# Altium PCB PROC054D_MMWCAS_RF_EVM.PcbDoc (part 1 of 14) (continued)
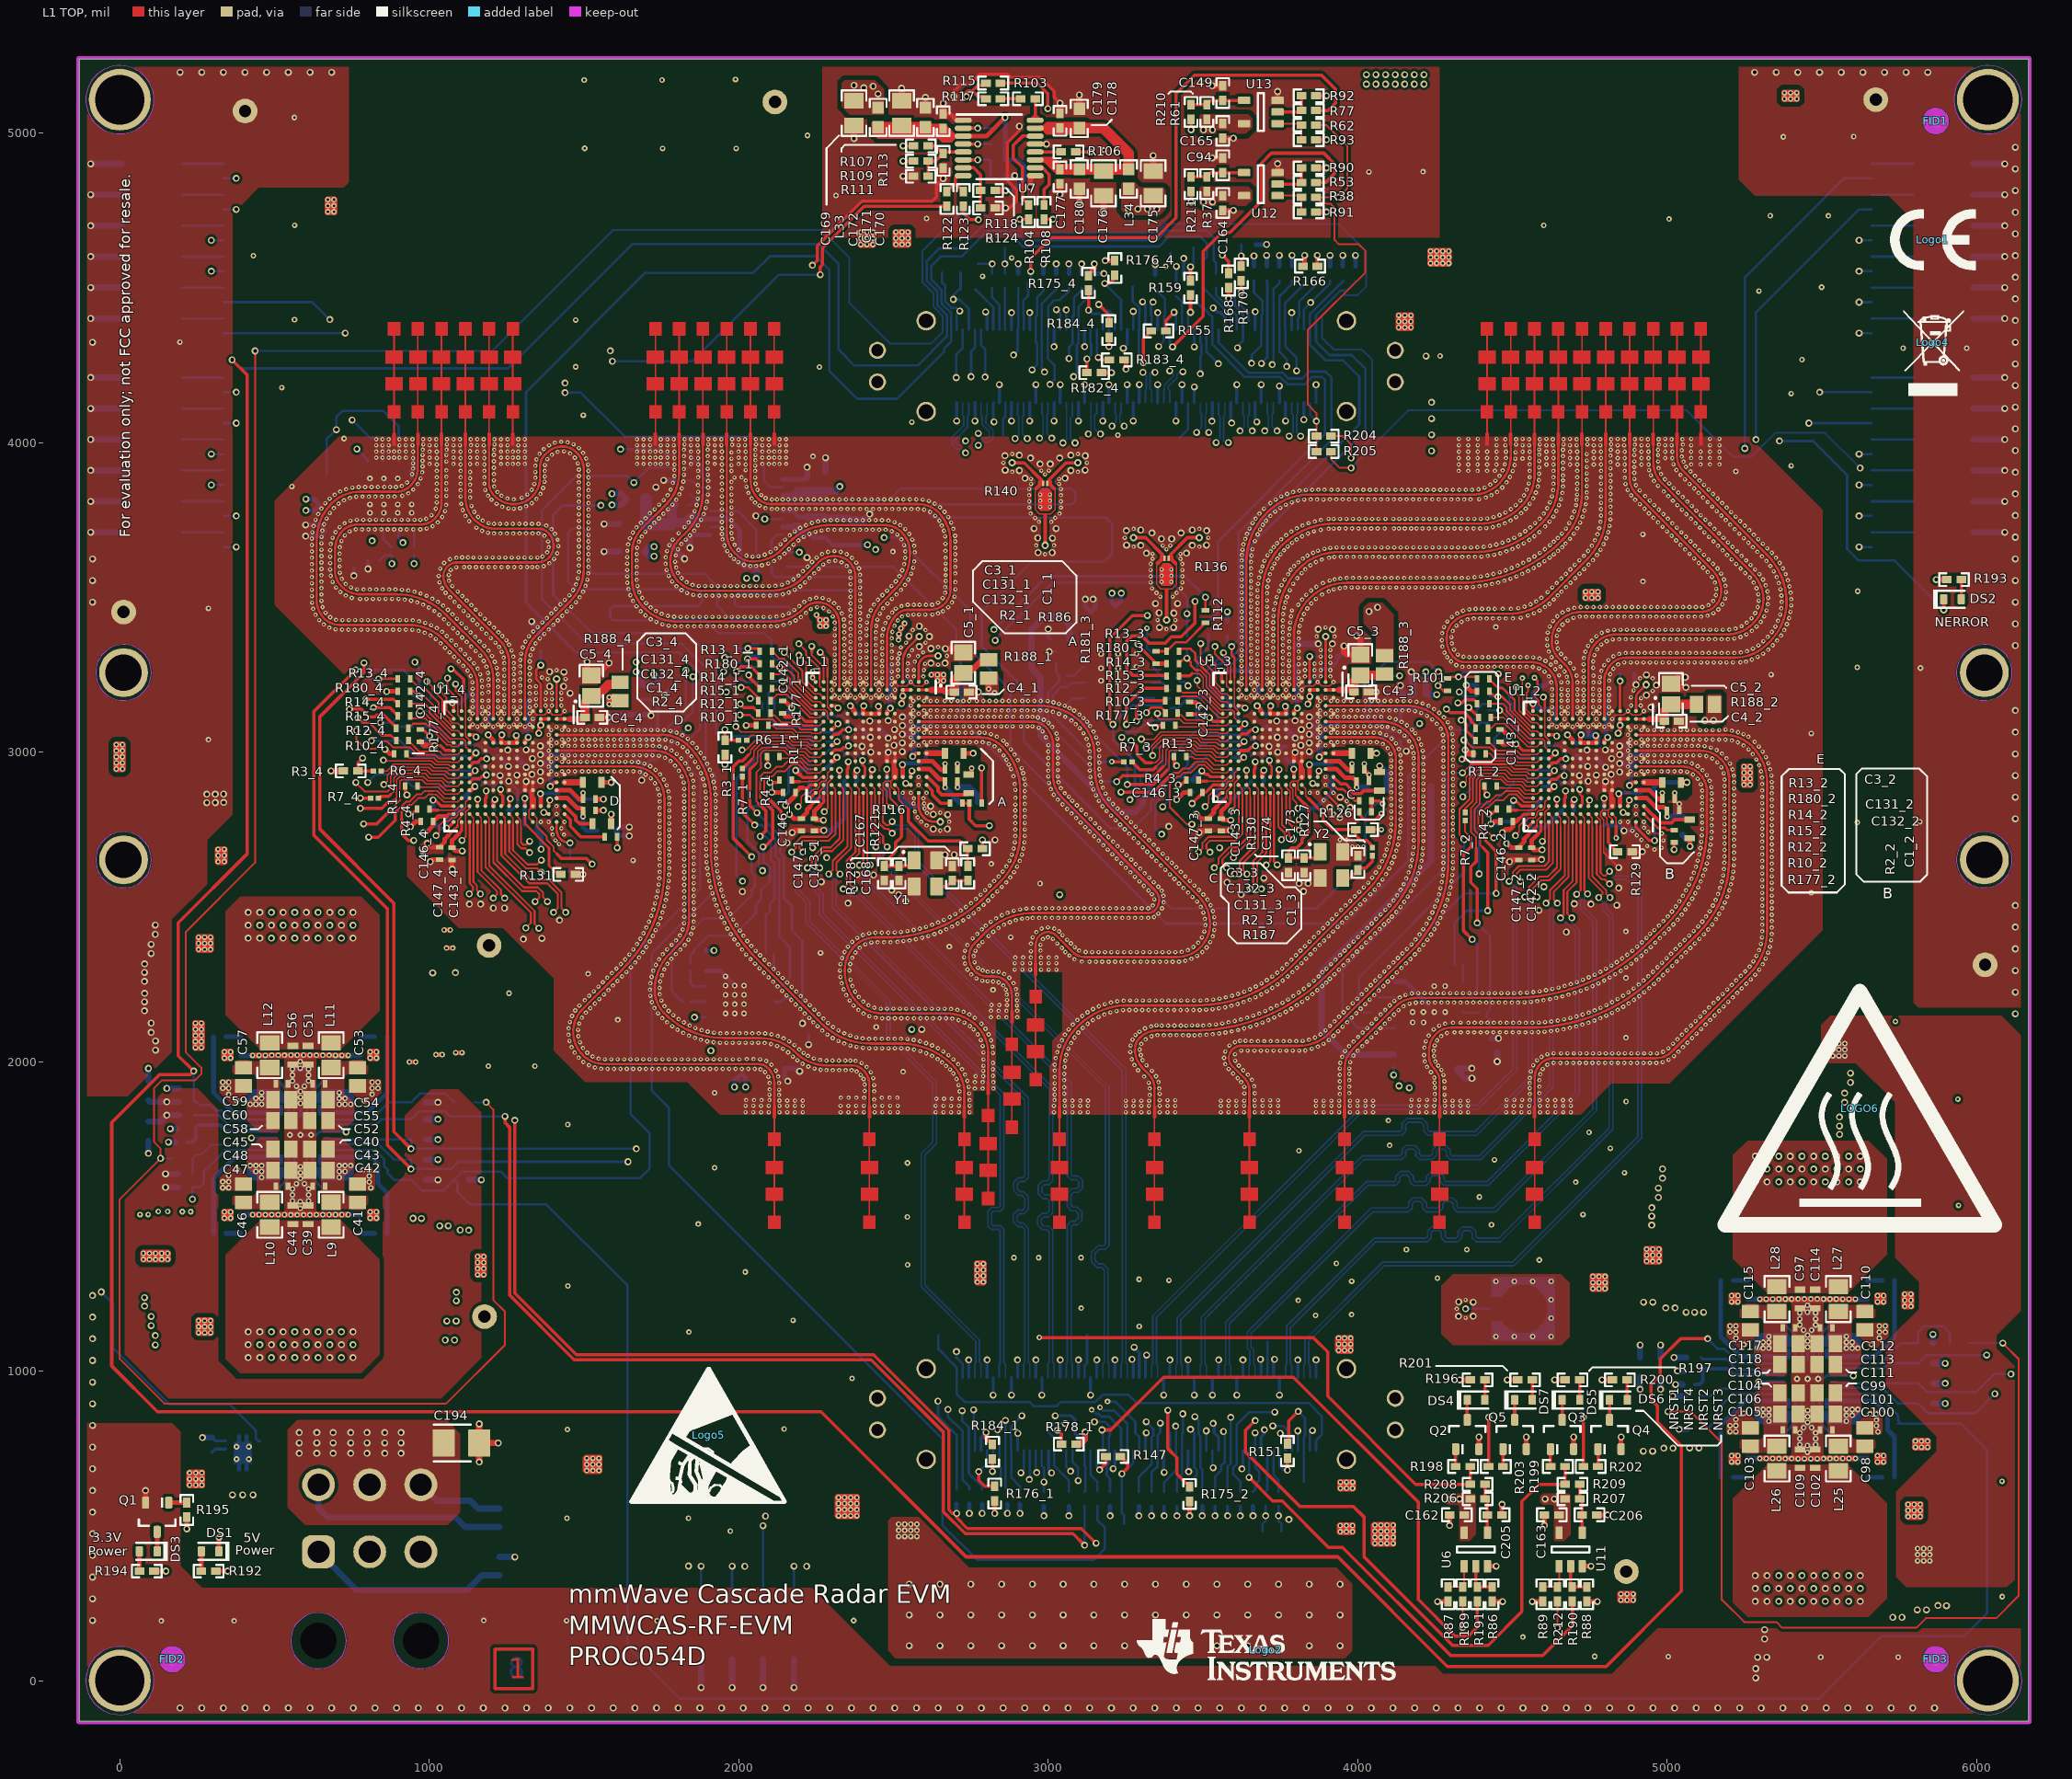
[diagram p0: L1 TOP view]
## Classes and differential pairs (continued)
net class AWR_DEBUG: GPADC1_1 GPADC1_2 GPADC1_3 GPADC1_4 GPADC1_CONN_1 GPADC1_CONN_2 GPADC1_CONN_3 GPADC1_CONN_4 GPADC2_1 GPADC2_2 GPADC2_3 GPADC2_4 GPADC2_CONN_1 GPADC2_CONN_2 GPADC2_CONN_3 GPADC2_CONN_4 GPADC3_1 GPADC3_2 GPADC3_3 GPADC3_4 GPADC3_CONN_1 GPADC3_CONN_2 GPADC3_CONN_3 GPADC3_CONN_4 GPADC4_1 GPADC4_2 GPADC4_3 GPADC4_4 GPADC4_CONN_1 GPADC4_CONN_2 GPADC4_CONN_3 GPADC4_CONN_4 GPADC5_1 GPADC5_2 GPADC5_3 GPADC5_4 GPADC5_CONN_1 GPADC5_CONN_2 GPADC5_CONN_3 GPADC5_CONN_4 GPADC6_1 GPADC6_2 GPADC6_3 GPADC6_4 GPADC6_CONN_1 GPADC6_CONN_2 GPADC6_CONN_3 GPADC6_CONN_4
net class AWR_ANTENNA: AWR_RX1_1 AWR_RX1_2 AWR_RX1_3 AWR_RX1_4 AWR_RX2_1 AWR_RX2_2 AWR_RX2_3 AWR_RX2_4 AWR_RX3_1 AWR_RX3_2 AWR_RX3_3 AWR_RX3_4 AWR_RX4_1 AWR_RX4_2 AWR_RX4_3 AWR_RX4_4 AWR_TX1_1 AWR_TX1_2 AWR_TX1_3 AWR_TX1_4 AWR_TX2_1 AWR_TX2_2 AWR_TX2_3 AWR_TX2_4 AWR_TX3_1 AWR_TX3_2 AWR_TX3_3 AWR_TX3_4
net class AWR23_POWER_1V8: PMIC2_AWR_23_1V8
net class AWR23_POWER_1V2: PMIC2_AWR_23_1V2
net class AWR14_POWER_1V8: PMIC1_AWR_14_1V8
net class AWR14_POWER_1V2: PMIC1_AWR_14_1V2
net class AWR_4_POWER_RF: AWR_4_1V0_RF1_FILT AWR_4_1V0_RF2_FILT
net class AWR_3_POWER_RF: AWR_3_1V0_RF1_FILT AWR_3_1V0_RF2_FILT
net class AWR2_POWER_RF: PMIC2_AWR_2_1V0
net class AWR_2_POWER_1V0_RF: AWR_2_1V0_RF1_FILT AWR_2_1V0_RF2_FILT
net class AWR1_POWER_RF: PMIC1_AWR_1_1V0
net class AWR_SAFETY: NERROR_OUT TMPSNS_ALERT
net class AWR_3_CSI_LVDS: AWR_3_CSI2_CLK_N AWR_3_CSI2_CLK_P AWR_3_CSI2_TX0_N AWR_3_CSI2_TX0_P AWR_3_CSI2_TX1_N AWR_3_CSI2_TX1_P AWR_3_CSI2_TX2_N AWR_3_CSI2_TX2_P AWR_3_CSI2_TX3_N AWR_3_CSI2_TX3_P AWR_3_LVDS_FRCLK_N AWR_3_LVDS_FRCLK_P AWR_3_LVDS_VALID_N AWR_3_LVDS_VALID_P
net class AWR_3_SOP_RESET: AWR_3_NRST_HOST AWR_3_SOP0_TDO AWR_3_SOP1_SYNCOUT AWR_3_SOP2_PMICCLKOUT AWR_3_WARM_RST
net class AWR_2_JTAG: AWR_2_TCK AWR_2_TDI AWR_2_TDO AWR_2_TMS
net class AWR_3_GENERAL: AWR_3_BSS_LOGGER AWR_3_GPIO_0 AWR_3_GPIO_1 AWR_3_GPIO_2 AWR_3_MSS_LOGGER AWR_3_SPI_CLK1 AWR_3_SPI_CS1 AWR_3_SPI_HOST_INTR1 AWR_3_SPI_MISO1 AWR_3_SPI_MOSI1 AWR_3_UART_RX AWR_3_UART_TX
net class AWR_2_CSI_LVDS: AWR_2_CSI2_CLK_N AWR_2_CSI2_CLK_P AWR_2_CSI2_TX0_N AWR_2_CSI2_TX0_P AWR_2_CSI2_TX1_N AWR_2_CSI2_TX1_P AWR_2_CSI2_TX2_N AWR_2_CSI2_TX2_P AWR_2_CSI2_TX3_N AWR_2_CSI2_TX3_P AWR_2_LVDS_FRCLK_N AWR_2_LVDS_FRCLK_P AWR_2_LVDS_VALID_N AWR_2_LVDS_VALID_P
net class AWR_3_JTAG: AWR_3_TCK AWR_3_TDI AWR_3_TDO AWR_3_TMS
net class AWR_4_CSI_LVDS: AWR_4_CSI2_CLK_N AWR_4_CSI2_CLK_P AWR_4_CSI2_TX0_N AWR_4_CSI2_TX0_P AWR_4_CSI2_TX1_N AWR_4_CSI2_TX1_P AWR_4_CSI2_TX2_N AWR_4_CSI2_TX2_P AWR_4_CSI2_TX3_N AWR_4_CSI2_TX3_P AWR_4_LVDS_FRCLK_N AWR_4_LVDS_FRCLK_P AWR_4_LVDS_VALID_N AWR_4_LVDS_VALID_P
net class AWR_1_SOP_RESET: AWR_1_NRST_HOST AWR_1_SOP0_TDO AWR_1_SOP1_SYNCOUT AWR_1_SOP2_PMICCLKOUT AWR_1_WARM_RST
net class AWR_1_JTAG: AWR_1_TCK AWR_1_TDI AWR_1_TDO AWR_1_TMS
net class AWR_1_GENERAL: AWR_1_BSS_LOGGER AWR_1_GPIO_0 AWR_1_GPIO_1 AWR_1_GPIO_2 AWR_1_MSS_LOGGER AWR_1_SPI_CLK1 AWR_1_SPI_CS1 AWR_1_SPI_HOST_INTR1 AWR_1_SPI_MISO1 AWR_1_SPI_MOSI1 AWR_1_UART_RX AWR_1_UART_TX
net class AWR_1_CSI_LVDS: AWR_1_CSI2_CLK_N AWR_1_CSI2_CLK_P AWR_1_CSI2_TX0_N AWR_1_CSI2_TX0_P AWR_1_CSI2_TX1_N AWR_1_CSI2_TX1_P AWR_1_CSI2_TX2_N AWR_1_CSI2_TX2_P AWR_1_CSI2_TX3_N AWR_1_CSI2_TX3_P AWR_1_LVDS_FRCLK_N AWR_1_LVDS_FRCLK_P AWR_1_LVDS_VALID_N AWR_1_LVDS_VALID_P
component class SYSTEM_POWER: C94 C149 C162 C163 C164 C165 C205 C206 R37 R38 R53 R61 R62 R77 R86 R87 R88 R89 R90 R91 R92 R93 R189 R190 R191 R204 R205 R206 R207 R208 R209 R210 R211 R212 U6 U11 U12 U13
component class SYSTEM_LED_INDICATORS: DS1 DS2 DS3 DS4 DS5 DS6 DS7 Q1 Q2 Q3 Q4 Q5 R192 R193 R194 R195 R196 R197 R198 R199 R200 R201 R202 R203
component class SYSTEM_3V3_SUPPLY: C9 C202 C203 U5
component class HOST_CONNECTORS: C190 C191 C192 C193 C194 J4 J5 J6 R19 R20 R98 R99 R100 R101 R102 R112 R114 R125 R145 R146 R147 R148 R149 R150 R151 R152 R153 R154 R155 R156 R157 R158 R159 R160 R161 R162 R163 TP8 TP12 TP13 TP15 TP16 TP17 TP18 TP19 TP20 TP25 TP29 TP30 TP32 TP33
component class Header: J1_1 J1_2 J1_3 J1_4 J2
component class DIG_SYNC_LO_20GHZ: C181 C182 C183 C184 C185 C186 C187 C188 C189 L35 R132 R133 R134 R135 R136 R137 R138 R139 R140 R141 R142 R143 R144 U8
component class SYSTEM_TEST_CONN_TERMINATION: J2 J3 R79 R82 R83 R84 R85 R186 R187
component class 40MHZ_CLOCK: C167 C168 C169 C170 C171 C172 C173 C174 C175 C176 C177 C178 C179 C180 L33 L34 R103 R104 R105 R106 R107 R108 R109 R110 R111 R113 R115 R116 R117 R118 R119 R120 R121 R122 R123 R124 R126 R127 R128 R129 R130 R131 R213 R214 U7 Y1 Y2
component class AWR_4: C1_4 C2_4 C3_4 C4_4 C5_4 C6_4 C7_4 C8_4 J1_4 R1_4 R2_4 R3_4 R4_4 R5_4 R6_4 R7_4 R8_4 R9_4 R10_4 R11_4 R12_4 R13_4 R14_4 R15_4 R16_4 R17_4 R18_4 R21_4 R22_4 R23_4 R24_4 R25_4 R26_4 R27_4 R28_4 R29_4 R30_4 R31_4 R32_4 R33_4 R188_4 TP1_4 TP2_4 TP3_4 U1_4 U2_4
component class AWR_3: C1_3 C2_3 C3_3 C4_3 C5_3 C6_3 C7_3 C8_3 J1_3 R1_3 R2_3 R3_3 R4_3 R5_3 R6_3 R7_3 R8_3 R9_3 R10_3 R11_3 R12_3 R13_3 R14_3 R15_3 R16_3 R17_3 R18_3 R21_3 R22_3 R23_3 R24_3 R25_3 R26_3 R27_3 R28_3 R29_3 R30_3 R31_3 R32_3 R33_3 R188_3 TP1_3 TP2_3 TP3_3 U1_3 U2_3
component class AWR_2: C1_2 C2_2 C3_2 C4_2 C5_2 C6_2 C7_2 C8_2 J1_2 R1_2 R2_2 R3_2 R4_2 R5_2 R6_2 R7_2 R8_2 R9_2 R10_2 R11_2 R12_2 R13_2 R14_2 R15_2 R16_2 R17_2 R18_2 R21_2 R22_2 R23_2 R24_2 R25_2 R26_2 R27_2 R28_2 R29_2 R30_2 R31_2 R32_2 R33_2 R188_2 TP1_2 TP2_2 TP3_2 U1_2 U2_2
component class AWR_2_AWR_3_LP87524P: C95 C96 C97 C98 C99 C100 C101 C102 C103 C104 C105 C106 C107 C108 C109 C110 C111 C112 C113 C114 C115 C116 C117 C118 C119 C120 C121 C122 C123 C124 C125 C126 C127 L25 L26 L27 L28 L29 L30 L31 L32 R59 R60 R63 R64 R65 R66 R67 R68 R69 R70 R71 R72 R74 R75 R76 R78 R80 R81 R95 R97 TP21 TP22 TP23 TP24 TP26 TP27 TP28 TP31 U4
component class AWR_2_AWR_3_LC_Filtering: C70 C71 C72 C73 C74 C75 C76 C77 C79 C80 C82 C83 C84 C85 C87 C88 C90 C91 C92 C93 C153 C154 C155 C156 C157 C158 C159 C160 C166 C201 C204 C207 L17 L18 L19 L20 L21 L22 L23 L24
component class AWR_1: C1_1 C2_1 C3_1 C4_1 C5_1 C6_1 C7_1 C8_1 J1_1 R1_1 R2_1 R3_1 R4_1 R5_1 R6_1 R7_1 R8_1 R9_1 R10_1 R11_1 R12_1 R13_1 R14_1 R15_1 R16_1 R17_1 R18_1 R21_1 R22_1 R23_1 R24_1 R25_1 R26_1 R27_1 R28_1 R29_1 R30_1 R31_1 R32_1 R33_1 R188_1 TP1_1 TP2_1 TP3_1 U1_1 U2_1
component class AWR_1_AWR_4_LP87524P: C37 C38 C39 C40 C41 C42 C43 C44 C45 C46 C47 C48 C49 C50 C51 C52 C53 C54 C55 C56 C57 C58 C59 C60 C61 C62 C63 C64 C65 C66 C67 C68 C69 L9 L10 L11 L12 L13 L14 L15 L16 R34 R36 R39 R40 R41 R42 R43 R44 R45 R46 R47 R48 R49 R50 R51 R52 R54 R55 R56 R57 R58 R73 R94 R96 TP4 TP5 TP6 TP7 TP9 TP10 TP11 TP14 U3
component class AWR_1_AWR_4_LC_Filtering: C10 C11 C12 C13 C14 C15 C16 C17 C18 C19 C20 C21 C22 C23 C24 C25 C26 C27 C28 C29 C30 C31 C32 C33 C34 C35 C36 C78 C81 C86 C89 C150 C151 C152 C161 L1 L2 L3 L4 L5 L6 L7 L8 R35
component class AssemblyNote: ZZ1 ZZ2 ZZ3 ZZ4
component class FiducialMark: FID1 FID2 FID3 FID4 FID5 FID6
component class EVM_HARDWARE: FID1 FID2 FID3 FID4 FID5 FID6 Logo1 Logo2 Logo3 Logo4 Logo5 LOGO6 ZZ1 ZZ2 ZZ3 ZZ4
component class Logo: Logo2
net class AWR_1_POWER_1V0_RF: AWR_1_1V0_RF1_FILT AWR_1_1V0_RF2_FILT
net class AWR_1_POWER_1V2: AWR_1_1V2_FILT
net class AWR_1_POWER_1V8: AWR_1_1V8_FILT
net class AWR_2_POWER_1V2: AWR_2_1V2_FILT
net class AWR_3_POWER_1V2: AWR_3_1V2_FILT
net class AWR_3_POWER_1V8: AWR_2_1V8_FILT AWR_3_1V8_FILT
net class AWR3_POWER_RF: PMIC2_AWR_3_1V0
net class AWR_4_POWER_1V2: AWR_4_1V2_FILT
net class AWR_4_POWER_1V8: AWR_4_1V8_FILT
net class AWR4_POWER_RF: PMIC1_AWR_4_1V0
net class AWR_20GHZ_LO: AWR_1_FMCW_CLKOUT AWR_1_FMCW_SYNCOUT AWR_2_FMCW_CLKOUT AWR_2_FMCW_SYNCOUT AWR_3_FMCW_CLKOUT AWR_3_FMCW_SYNCOUT AWR_4_FMCW_CLKOUT AWR_4_FMCW_SYNCOUT
component class SYSTEM_TEMP_SENSORS: C195 C196 C197 C198 C199 C200 R164 R165 R166 R167 R168 R169 R170 R171 R172 R173 U9 U10
net class Antenna: AWR_1_FMCW_CLKOUT AWR_1_FMCW_SYNCOUT AWR_2_FMCW_CLKOUT AWR_2_FMCW_SYNCOUT AWR_3_FMCW_CLKOUT AWR_3_FMCW_SYNCOUT AWR_4_FMCW_CLKOUT AWR_4_FMCW_SYNCOUT AWR_RX1_1 AWR_RX1_2 AWR_RX1_3 AWR_RX1_4 AWR_RX2_1 AWR_RX2_2 AWR_RX2_3 AWR_RX2_4 AWR_RX3_1 AWR_RX3_2 AWR_RX3_3 AWR_RX3_4 AWR_RX4_1 AWR_RX4_2 AWR_RX4_3 AWR_RX4_4 AWR_TX1_1 AWR_TX1_2 AWR_TX1_3 AWR_TX1_4 AWR_TX2_1 AWR_TX2_2 AWR_TX2_3 AWR_TX2_4 AWR_TX3_1 AWR_TX3_2 AWR_TX3_3 AWR_TX3_4
net class AWR2_SOP_RESET: AWR_2_NRST_HOST AWR_2_SOP0_TDO AWR_2_SOP1_SYNCOUT AWR_2_SOP2_PMICCLKOUT AWR_2_WARM_RST
net class AWR_2_GENERAL: AWR_2_BSS_LOGGER AWR_2_GPIO_0 AWR_2_GPIO_1 AWR_2_GPIO_2 AWR_2_MSS_LOGGER AWR_2_SPI_CLK1 AWR_2_SPI_CS1 AWR_2_SPI_HOST_INTR1 AWR_2_SPI_MISO1 AWR_2_SPI_MOSI1 AWR_2_UART_RX AWR_2_UART_TX
net class AWR_4_GENERAL: AWR_4_BSS_LOGGER AWR_4_GPIO_0 AWR_4_GPIO_1 AWR_4_GPIO_2 AWR_4_MSS_LOGGER AWR_4_SPI_CLK1 AWR_4_SPI_CS1 AWR_4_SPI_HOST_INTR1 AWR_4_SPI_MISO1 AWR_4_SPI_MOSI1 AWR_4_UART_RX AWR_4_UART_TX
net class AWR_4_JTAG: AWR_4_TCK AWR_4_TDI AWR_4_TDO AWR_4_TMS
net class AWR_4_SOP_RESET: AWR_4_NRST_HOST AWR_4_SOP0_TDO AWR_4_SOP1_SYNCOUT AWR_4_SOP2_PMICCLKOUT AWR_4_WARM_RST
net class "LC Power": AWR_1_1V0_RF1_FILT AWR_1_1V0_RF2_FILT AWR_1_1V2_FILT AWR_1_1V8_FILT AWR_2_1V0_RF1_FILT AWR_2_1V0_RF2_FILT AWR_2_1V2_FILT AWR_2_1V8_FILT AWR_3_1V0_RF1_FILT AWR_3_1V0_RF2_FILT AWR_3_1V2_FILT AWR_3_1V8_FILT AWR_4_1V0_RF1_FILT AWR_4_1V0_RF2_FILT AWR_4_1V2_FILT AWR_4_1V8_FILT
net class AWR_SYNC: AWR_1_DIG_SYNCIN AWR_1_DIG_SYNCIN_RS AWR_1_DIG_SYNCOUT AWR_2_DIG_SYNCIN AWR_2_DIG_SYNCIN_RS AWR_2_DIG_SYNCOUT AWR_3_DIG_SYNCIN AWR_3_DIG_SYNCIN_RS AWR_3_DIG_SYNCOUT AWR_4_DIG_SYNCIN AWR_4_DIG_SYNCIN_RS AWR_4_DIG_SYNCOUT DIG_SYNC_SOURCE DIG_SYNCOUT_RS_1 DIG_SYNCOUT_RS_2 DIG_SYNCOUT_RS_3 DIG_SYNCOUT_RS_4 EXT_DIG_SYNC
net class AWR_CLOCK: 40M_BUF_IN_PRIMAWRY 40M_BUF_IN_SECONDAWRY AWR_1_MCU_CLKOUT AWR_1_MCU_CLKOUT_CONN AWR_1_MCU_CLKOUT_RS AWR_1_OSC_CLKOUT AWR_1_OSC_CLKOUT_CONN AWR_1_PMIC_CLKOUT AWR_1_XTAL_CLKM AWR_1_XTAL_CLKP AWR_1_XTALP_RS AWR_2_MCU_CLKOUT AWR_2_OSC_CLKOUT AWR_2_PMIC_CLKOUT AWR_2_XTAL_CLKM AWR_2_XTAL_CLKP AWR_3_MCU_CLKOUT AWR_3_OSC_CLKOUT AWR_3_OSC_CLKOUT_CONN AWR_3_PMIC_CLKOUT AWR_3_XTAL_CLKM AWR_3_XTAL_CLKP AWR_3_XTALP_RS AWR_4_MCU_CLKOUT AWR_4_OSC_CLKOUT AWR_4_PMIC_CLKOUT AWR_4_XTAL_CLKM AWR_4_XTAL_CLKP BUF_CLKOUT1 BUF_CLKOUT1_RS BUF_CLKOUT2_RS BUF_CLKOUT3 BUF_CLKOUT3_RS BUF_CLKOUT4_RS EXT_40M_BUF_AWR_1_RS EXT_40MHZ_CLK_1V8 MCU_CLKOUT_RS_1 MCU_CLKOUT_RS_2 MCU_CLKOUT_RS_3 MCU_CLKOUT_RS_4 OSC_CLKOUT_RS_1 OSC_CLKOUT_RS_2 OSC_CLKOUT_RS_3 OSC_CLKOUT_RS_4 PMIC_CLKOUT_RS_1 PMIC_CLKOUT_RS_2 PMIC_CLKOUT_RS_3 PMIC_CLKOUT_RS_4
net class AWR_FMCW_20G: AWR_1_FMCW_CLKOUT AWR_1_FMCW_SYNCOUT AWR_2_FMCW_CLKOUT AWR_2_FMCW_SYNCOUT AWR_3_FMCW_CLKOUT AWR_3_FMCW_SYNCOUT AWR_4_FMCW_CLKOUT AWR_4_FMCW_SYNCOUT
net class 12XX_GENERAL: AWR_1_SPI_CLK1 AWR_1_SPI_CS1 AWR_1_SPI_HOST_INTR1 AWR_1_SPI_MISO1 AWR_1_SPI_MOSI1 AWR_2_SPI_CLK1 AWR_2_SPI_CS1 AWR_2_SPI_HOST_INTR1 AWR_2_SPI_MISO1 AWR_2_SPI_MOSI1 AWR_3_SPI_CLK1 AWR_3_SPI_CS1 AWR_3_SPI_HOST_INTR1 AWR_3_SPI_MISO1 AWR_3_SPI_MOSI1 AWR_4_SPI_CLK1 AWR_4_SPI_CS1 AWR_4_SPI_HOST_INTR1 AWR_4_SPI_MISO1 AWR_4_SPI_MOSI1 SPI_HOST_INTR1_RS_1 SPI_HOST_INTR1_RS_2 SPI_HOST_INTR1_RS_3 SPI_HOST_INTR1_RS_4 SPI_MISO1_RS_1 SPI_MISO1_RS_2 SPI_MISO1_RS_3 SPI_MISO1_RS_4
net class AWR_JTAG: AWR_1_TCK AWR_1_TDI AWR_1_TDO AWR_1_TMS AWR_2_TCK AWR_2_TDI AWR_2_TDO AWR_2_TMS AWR_3_TCK AWR_3_TDI AWR_3_TDO AWR_3_TMS AWR_4_TCK AWR_4_TDI AWR_4_TDO AWR_4_TMS TDO_RS_1 TDO_RS_2 TDO_RS_3 TDO_RS_4
net class "Back Drill Nets": AWR_1_FMCW_CLKOUT AWR_1_FMCW_SYNCOUT AWR_3_FMCW_CLKOUT
component class AWR_4: R174_4 R175_4 R176_4 R177_4 R178_4 R179_4 R180_4 R181_4 R182_4 R183_4 R184_4 R185_4
differential pair 12XX_4_LVDS_VALID: +AWR_4_LVDS_VALID_P -AWR_4_LVDS_VALID_N
differential pair 12XX_4_LVDS_FRCLK: +AWR_4_LVDS_FRCLK_P -AWR_4_LVDS_FRCLK_N
differential pair 12XX_4_CSI2_TX3: +AWR_4_CSI2_TX3_P -AWR_4_CSI2_TX3_N
differential pair 12XX_4_CSI2_TX2: +AWR_4_CSI2_TX2_P -AWR_4_CSI2_TX2_N
differential pair 12XX_4_CSI2_TX1: +AWR_4_CSI2_TX1_P -AWR_4_CSI2_TX1_N
differential pair 12XX_4_CSI2_TX0: +AWR_4_CSI2_TX0_P -AWR_4_CSI2_TX0_N
differential pair 12XX_4_CSI2_CLK: +AWR_4_CSI2_CLK_P -AWR_4_CSI2_CLK_N
differential pair 12XX_3_LVDS_VALID: +AWR_3_LVDS_VALID_P -AWR_3_LVDS_VALID_N
differential pair 12XX_3_LVDS_FRCLK: +AWR_3_LVDS_FRCLK_P -AWR_3_LVDS_FRCLK_N
differential pair 12XX_3_CSI2_TX3: +AWR_3_CSI2_TX3_P -AWR_3_CSI2_TX3_N
differential pair 12XX_3_CSI2_TX2: +AWR_3_CSI2_TX2_P -AWR_3_CSI2_TX2_N
differential pair 12XX_3_CSI2_TX1: +AWR_3_CSI2_TX1_P -AWR_3_CSI2_TX1_N
differential pair 12XX_3_CSI2_TX0: +AWR_3_CSI2_TX0_P -AWR_3_CSI2_TX0_N
differential pair 12XX_3_CSI2_CLK: +AWR_3_CSI2_CLK_P -AWR_3_CSI2_CLK_N
differential pair 12XX_2_LVDS_VALID: +AWR_2_LVDS_VALID_P -AWR_2_LVDS_VALID_N
differential pair 12XX_2_LVDS_FRCLK: +AWR_2_LVDS_FRCLK_P -AWR_2_LVDS_FRCLK_N
differential pair 12XX_2_CSI2_TX3: +AWR_2_CSI2_TX3_P -AWR_2_CSI2_TX3_N
differential pair 12XX_2_CSI2_TX2: +AWR_2_CSI2_TX2_P -AWR_2_CSI2_TX2_N
differential pair 12XX_2_CSI2_TX1: +AWR_2_CSI2_TX1_P -AWR_2_CSI2_TX1_N
differential pair 12XX_2_CSI2_TX0: +AWR_2_CSI2_TX0_P -AWR_2_CSI2_TX0_N
differential pair 12XX_2_CSI2_CLK: +AWR_2_CSI2_CLK_P -AWR_2_CSI2_CLK_N
differential pair 12XX_1_LVDS_VALID: +AWR_1_LVDS_VALID_P -AWR_1_LVDS_VALID_N
differential pair 12XX_1_LVDS_FRCLK: +AWR_1_LVDS_FRCLK_P -AWR_1_LVDS_FRCLK_N
differential pair 12XX_1_CSI2_TX3: +AWR_1_CSI2_TX3_P -AWR_1_CSI2_TX3_N
differential pair 12XX_1_CSI2_TX2: +AWR_1_CSI2_TX2_P -AWR_1_CSI2_TX2_N
differential pair 12XX_1_CSI2_TX1: +AWR_1_CSI2_TX1_P -AWR_1_CSI2_TX1_N
differential pair 12XX_1_CSI2_TX0: +AWR_1_CSI2_TX0_P -AWR_1_CSI2_TX0_N
differential pair 12XX_1_CSI2_CLK: +AWR_1_CSI2_CLK_P -AWR_1_CSI2_CLK_N

## Components (designator, comment, footprint, x,y, rotation, side; value= is the part's Value field where it differs from the comment)
C1_1 "GCM188R71C105KA64D" 0603S 2742.78,2897.55 r90 top locked value=1uF (schematic designator C1)
C1_2 "GCM188R71C105KA64D" 0603S 5073.3,2751.83 r270 top locked value=1uF (schematic designator C1)
C1_3 "GCM188R71C105KA64D" 0603S 4070.8,2905.83 r90 top locked value=1uF (schematic designator C1)
C1_4 "GCM188R71C105KA64D" 0603S 1557.76,2768.38 r0 top locked value=1uF (schematic designator C1)
C2_1 "GCM155R71C224KE02D" 0402S 2563.59,3040.51 r90 bottom locked value=0.22uF (schematic designator C2)
C2_2 "GCM155R71C224KE02D" 0402S 4881.59,2945.09 r90 bottom locked value=0.22uF (schematic designator C2)
C2_3 "GCM155R71C224KE02D" 0402S 3878.59,3040.51 r90 bottom locked value=0.22uF (schematic designator C2)
C2_4 "GCM155R71C224KE02D" 0402S 1393,2941.71 r90 bottom locked value=0.22uF (schematic designator C2)
C3_1 "GCM188R71C105KA64D" 0603S 2696.55,2995.81 r0 top locked value=1uF (schematic designator C3)
C3_2 "GCM188R71C105KA64D" 0603S 5014.55,2901.32 r0 top locked value=1uF (schematic designator C3)
C3_3 "GCM188R71C105KA64D" 0603S 4011.55,2995.81 r0 top locked value=1uF (schematic designator C3)
C3_4 "GCM188R71C105KA64D" 0603S 1526.55,2902.31 r0 top locked value=1uF (schematic designator C3)
C4_1 "GCM155R71C224KE02D" 0402 2720.13,3194 r0 top locked value=0.22uF (schematic designator C4)
C4_2 "GCM155R71C224KE02D" 0402 5014.43,3100.3 r0 top locked value=0.22uF (schematic designator C4)
C4_3 "GCM155R71C224KE02D" 0402 4011.43,3194.3 r0 top locked value=0.22uF (schematic designator C4)
C4_4 "GCM155R71C224KE02D" 0402 1526.43,3112.3 r0 top locked value=0.22uF (schematic designator C4)
C5_1 "GCM21BR71A106KE22L" 0805 2725.58,3288.52 r90 top locked value=10uF (schematic designator C5)
C5_2 "GCM21BR71A106KE22L" 0805 5012.4,3187.53 r90 top locked value=10uF (schematic designator C5)
C5_3 "GCM21BR71A106KE22L" 0805 4008.9,3281.53 r90 top locked value=10uF (schematic designator C5)
C5_4 "GCM21BR71A106KE22L" 0805 1523.9,3214.53 r90 top locked value=10uF (schematic designator C5)
C6_1 "GCM21BR71A106KE22L" 0805L 2148.35,2008.07 r270 bottom locked value=10uF (schematic designator C6)
C6_2 "GCM21BR71A106KE22L" 0805L 4322.67,2007.69 r270 bottom locked value=10uF (schematic designator C6)
C6_3 "GCM21BR71A106KE22L" 0805L 3133.93,3422.47 r90 bottom locked value=10uF (schematic designator C6)
C6_4 "GCM21BR71A106KE22L" 0805L 694.69,3715.83 r180 bottom locked value=10uF (schematic designator C6)
C7_1 "GCM188R71C105KA64D" 0603S 2195.91,2087.69 r0 bottom locked value=1uF (schematic designator C7)
C7_2 "GCM188R71C105KA64D" 0603S 4421.14,2031.28 r0 bottom locked value=1uF (schematic designator C7)
C7_3 "GCM188R71C105KA64D" 0603S 3037.86,3364.87 r180 bottom locked value=1uF (schematic designator C7)
C7_4 "GCM188R71C105KA64D" 0603S 756.26,3626.9 r270 bottom locked value=1uF (schematic designator C7)
C8_1 "CGA2B3X7R1H104K050BB" 0402S 2185.91,2143.45 r0 bottom locked value=0.1uF (schematic designator C8)
C8_2 "CGA2B3X7R1H104K050BB" 0402S 4408.64,2075.26 r0 bottom locked value=0.1uF (schematic designator C8)
C8_3 "CGA2B3X7R1H104K050BB" 0402S 3045.36,3323.4 r180 bottom locked value=0.1uF (schematic designator C8)
C8_4 "CGA2B3X7R1H104K050BB" 0402S 802,3639.4 r270 bottom locked value=0.1uF (schematic designator C8)
C9 "GCM155R71C104KA55D" 0402 297.71,761.49 r90 bottom locked value=0.1uF
C10 "GCM21BR71A106KE22L" 0805L 522.33,1259.8 r0 bottom locked value=10uF
C11 "GCM31CR71A226KE02" 1206_180L 173.03,1240.08 r180 bottom locked value=22uF
C12 "GCM21BR71A106KE22L" 0805L 178.04,1160.14 r180 bottom locked value=10uF
C13 "GCM188R71C105KA64J" 0603S 173.04,1099.98 r180 bottom locked value=1uF
C14 "GCM21BR71A106KE22L" 0805L 522.33,2193.13 r0 bottom locked value=10uF
C15 "GCM31CR71A226KE02" 1206_180L 173.03,2190.59 r180 bottom locked value=22uF
C16 "GCM21BR71A106KE22L" 0805L 178.04,2110.65 r180 bottom locked value=10uF
C17 "GCM188R71C105KA64J" 0603S 173.04,2050.48 r180 bottom locked value=1uF
C18 "GCM31CR71A226KE02" 1206_180L 414.55,2785.62 r90 bottom locked value=22uF
C19 "GCM21BR71A106KE22L" 0805L 332.11,2762.78 r90 bottom locked value=10uF
C20 "GCM188R71C105KA64J" 0603S 265.9,2763.05 r90 bottom locked value=1uF
C21 "GCM31CR71A226KE02" 1206_180L 217.55,1428.37 r90 bottom locked value=22uF
C22 "GCM31CR71A226KE02" 1206_180L 962.95,1403.1 r90 bottom locked value=22uF
C23 "GCM21BR71A106KE22L" 0805L 1049.07,1401.66 r90 bottom locked value=10uF
C24 "GCM31CR71A226KE02" 1206_180L 994.04,1240.08 r0 bottom locked value=22uF
C25 "GCM21BR71A106KE22L" 0805L 644.75,1332.8 r180 bottom locked value=10uF
C26 "GCM188R71C105KA64J" 0603S 1116.49,1399.97 r90 bottom locked value=1uF
C27 "GCM21BR71A106KE22L" 0805L 644.75,1259.8 r180 bottom locked value=10uF
C28 "GCM188R71C105KA64J" 0603S 994.03,1099.98 r0 bottom locked value=1uF
C29 "GCM21BR71A106KE22L" 0805L 135.75,1452 r90 bottom locked value=10uF
C30 "GCM31CR71A226KE02" 1206_180L 994.04,2285.85 r0 bottom locked value=22uF
C31 "GCM21BR71A106KE22L" 0805L 989.03,2365.79 r0 bottom locked value=10uF
C32 "GCM21BR71A106KE22L" 0805L 989.03,1160.14 r0 bottom locked value=10uF
C33 "GCM21BR71A106KE22L" 0805L 644.75,2266.12 r180 bottom locked value=10uF
C34 "GCM188R71C105KA64J" 0603S 994.03,2425.95 r0 bottom locked value=1uF
C35 "GCM21BR71A106KE22L" 0805L 644.75,2193.13 r180 bottom locked value=10uF
C36 "GCM188R71C105KA64J" 0603S 1095.23,2080.31 r270 bottom locked value=1uF
C37 "GCM155R71H391KA37D" 0402S 733.8,1591.98 r0 bottom locked value=390pF
C38 "GCM155R71H391KA37D" 0402S 433.28,1591.98 r180 bottom locked value=390pF
C39 "GCM188R72A682KA37D" 0603S 608.24,1505.01 r90 top locked value=6800pF
C40 "GRM21BR60J107M" 0805L 643.44,1716.98 r180 top locked value=100uF
C41 "GRM21BR60J107M" 0805L 768.09,1574.81 r90 top locked value=100uF
C42 "GCM155R71C104JA55D" 0402S 643.45,1597.62 r180 top locked value=0.1uF
C43 "GRM21BR71A106KA73L" 0805L 643.44,1648.99 r180 top locked value=10uF
C44 "GCM188R72A682KA37D" 0603S 558.83,1505.01 r90 top locked value=6800pF
C45 "GRM21BR60J107M" 0805L 523.64,1716.98 r0 top locked value=100uF
C46 "GRM21BR60J107M" 0805L 398.98,1574.81 r90 top locked value=100uF
C47 "GCM155R71C104JA55D" 0402S 523.63,1597.62 r0 top locked value=0.1uF
C48 "GRM21BR71A106KA73L" 0805L 523.64,1649.43 r0 top locked value=10uF
C49 "GCM155R71H391KA37D" 0402S 733.8,1933.94 r0 bottom locked value=390pF
C50 "GCM155R71H391KA37D" 0402S 433.28,1933.94 r180 bottom locked value=390pF
C51 "GCM188R72A682KA37D" 0603S 608.24,2020.91 r270 top locked value=6800pF
C52 "GRM21BR60J107M" 0805L 643.44,1808.94 r180 top locked value=100uF
C53 "GRM21BR60J107M" 0805L 768.09,1951.12 r270 top locked value=100uF
C54 "GCM155R71C104JA55D" 0402S 643.45,1928.3 r180 top locked value=0.1uF
C55 "GRM21BR71A106KA73L" 0805L 643.44,1876.94 r180 top locked value=10uF
C56 "GCM188R72A682KA37D" 0603S 558.83,2020.91 r270 top locked value=6800pF
C57 "GRM21BR60J107M" 0805L 398.98,1951.12 r270 top locked value=100uF
C58 "GRM21BR60J107M" 0805L 523.64,1808.94 r0 top locked value=100uF
C59 "GCM155R71C104JA55D" 0402S 523.63,1928.3 r0 top locked value=0.1uF
C60 "GRM21BR71A106KA73L" 0805L 523.64,1876.94 r0 top locked value=10uF
C61 "C2012X7S1A226M125AC" 0805L 644.75,1405.79 r180 bottom locked value=22uF
C62 "C2012X7S1A226M125AC" 0805L 775.98,1474.81 r90 bottom locked value=22uF
C63 "GCM155R71C104JA55D" 0402S 199.53,1739.74 r180 bottom locked value=0.1uF
C64 "C2012X7S1A226M125AC" 0805L 522.33,1405.79 r0 bottom locked value=22uF
C65 "C2012X7S1A226M125AC" 0805L 392.43,1476.14 r90 bottom locked value=22uF
C66 "C2012X7S1A226M125AC" 0805L 775.98,2051.12 r270 bottom locked value=22uF
C67 "C2012X7S1A226M125AC" 0805L 644.75,2120.14 r180 bottom locked value=22uF
C68 "C2012X7S1A226M125AC" 0805L 391.09,2051.12 r270 bottom locked value=22uF
C69 "C2012X7S1A226M125AC" 0805L 522.33,2120.14 r0 bottom locked value=22uF
C70 "GCM21BR71A106KE22L" 0805L 5393.06,544.94 r0 bottom locked value=10uF
C71 "GCM31CR71A226KE02" 1206_180L 5091.14,662.09 r90 bottom locked value=22uF
C72 "GCM21BR71A106KE22L" 0805L 5006.37,685.13 r90 bottom locked value=10uF
C73 "GCM188R71C105KA64J" 0603S 4936.41,685.13 r90 bottom locked value=1uF
C74 "GCM21BR71A106KE22L" 0805L 5393.06,1478.27 r0 bottom locked value=10uF
C75 "GCM31CR71A226KE02" 1206_180L 5043.76,1497.99 r180 bottom locked value=22uF
C76 "GCM21BR71A106KE22L" 0805L 5048.77,1577.93 r180 bottom locked value=10uF
C77 "GCM188R71C105KA64J" 0603S 5043.77,1638.09 r180 bottom locked value=1uF
C78 "GCM188R71C105KA64J" 0603S 71.91,1451.54 r90 bottom locked value=1uF
C79 "GCM31CR71A226KE02" 1206_180L 5744.45,295.52 r270 bottom locked value=22uF
C80 "GCM21BR71A106KE22L" 0805L 5829.19,296.85 r270 bottom locked value=10uF
C81 "GCM31CR71A226KE02" 1206_180L 946.37,2084.69 r270 bottom locked value=22uF
C82 "GCM21BR71A106KE22L" 0805L 5515.47,471.95 r180 bottom locked value=10uF
C83 "GCM188R71C105KA64J" 0603S 5892.71,297.42 r270 bottom locked value=1uF
C84 "GCM21BR71A106KE22L" 0805L 5515.47,544.94 r180 bottom locked value=10uF
C85 "GCM188R71C105KA64J" 0603S 5970.63,650.66 r90 bottom locked value=1uF
C86 "GCM21BR71A106KE22L" 0805L 522.33,2266.12 r0 bottom locked value=10uF
C87 "GCM31CR71A226KE02" 1206_180L 5834.15,1283.42 r270 bottom locked value=22uF
C88 "GCM21BR71A106KE22L" 0805L 5918.7,1285.61 r270 bottom locked value=10uF
C89 "GCM21BR71A106KE22L" 0805L 1030.65,2085.79 r270 bottom locked value=10uF
C90 "GCM21BR71A106KE22L" 0805L 5515.47,1405.27 r180 bottom locked value=10uF
C91 "GCM188R71C105KA64J" 0603S 5984.53,1287.79 r270 bottom locked value=1uF
C92 "GCM21BR71A106KE22L" 0805L 5515.47,1478.27 r180 bottom locked value=10uF
C93 "GCM188R71C105KA64J" 0603S 5651.36,1947.85 r180 bottom locked value=1uF
C94 "CGA2B3X7R1H104K050BB" 0402 3564.27,4896.25 r90 top locked value=0.1uF
C95 "GCM155R71H391KA37D" 0402S 5604.52,804.13 r0 bottom locked value=390pF
C96 "GCM155R71H391KA37D" 0402S 5304,804.13 r180 bottom locked value=390pF
C97 "GCM188R72A682KA37D" 0603S 5429.56,1233.05 r270 top locked value=6800pF
C98 "GRM21BR60J107M" 0805L 5638.82,786.95 r90 top locked value=100uF
C99 "GRM21BR60J107M" 0805L 5514.16,929.12 r180 top locked value=100uF
C100 "GCM155R71C104JA55D" 0402S 5514.17,809.77 r180 top locked value=0.1uF
C101 "GRM21BR71A106KA73L" 0805L 5514.16,861.13 r180 top locked value=10uF
C102 "GCM188R72A682KA37D" 0603S 5478.97,717.16 r90 top locked value=6800pF
C103 "GRM21BR60J107M" 0805L 5269.71,786.95 r90 top locked value=100uF
C104 "GRM21BR60J107M" 0805L 5394.36,929.12 r0 top locked value=100uF
C105 "GCM155R71C104JA55D" 0402S 5394.35,809.77 r0 top locked value=0.1uF
C106 "GRM21BR71A106KA73L" 0805L 5394.36,861.58 r0 top locked value=10uF
C107 "GCM155R71H391KA37D" 0402S 5604.52,1146.09 r0 bottom locked value=390pF
C108 "GCM155R71H391KA37D" 0402S 5304,1146.09 r180 bottom locked value=390pF
C109 "GCM188R72A682KA37D" 0603S 5429.56,717.16 r90 top locked value=6800pF
C110 "GRM21BR60J107M" 0805L 5638.82,1163.26 r270 top locked value=100uF
C111 "GRM21BR60J107M" 0805L 5514.16,1021.09 r180 top locked value=100uF
C112 "GCM155R71C104JA55D" 0402S 5514.17,1140.45 r180 top locked value=0.1uF
C113 "GRM21BR71A106KA73L" 0805L 5514.16,1089.08 r180 top locked value=10uF
C114 "GCM188R72A682KA37D" 0603S 5478.97,1233.05 r270 top locked value=6800pF
C115 "GRM21BR60J107M" 0805L 5269.71,1163.26 r270 top locked value=100uF
C116 "GRM21BR60J107M" 0805L 5394.36,1021.09 r0 top locked value=100uF
C117 "GCM155R71C104JA55D" 0402S 5394.35,1140.45 r0 top locked value=0.1uF
C118 "GRM21BR71A106KA73L" 0805L 5394.36,1089.08 r0 top locked value=10uF
C119 "C2012X7S1A226M125AC" 0805L 5515.47,617.93 r180 bottom locked value=22uF
C120 "C2012X7S1A226M125AC" 0805L 5646.71,686.95 r90 bottom locked value=22uF
C121 "GCM155R71C104JA55D" 0402S 5070.26,956.89 r180 bottom locked value=0.1uF
C122 "C2012X7S1A226M125AC" 0805L 5393.06,617.93 r0 bottom locked value=22uF
C123 "C2012X7S1A226M125AC" 0805L 5263.16,688.29 r90 bottom locked value=22uF
C124 "C2012X7S1A226M125AC" 0805L 5646.71,1263.26 r270 bottom locked value=22uF
C125 "C2012X7S1A226M125AC" 0805L 5515.47,1332.28 r180 bottom locked value=22uF
C126 "C2012X7S1A226M125AC" 0805L 5261.82,1263.26 r270 bottom locked value=22uF
C127 "C2012X7S1A226M125AC" 0805L 5393.06,1332.28 r0 bottom locked value=22uF
C128_1 "GCM155R71C224KE02D" 0402S 2507.72,3221.01 r0 bottom locked value=0.22uF (schematic designator C128)
C128_2 "GCM155R71C224KE02D" 0402S 4823.23,3125.03 r0 bottom locked value=0.22uF (schematic designator C128)
C128_3 "GCM155R71C224KE02D" 0402S 3704.89,3101.69 r270 bottom locked value=0.22uF (schematic designator C128)
C128_4 "GCM155R71C224KE02D" 0402S 1337.72,3127.01 r0 bottom locked value=0.22uF (schematic designator C128)
C129_1 "GCM155R71C224KE02D" 0402S 2389.89,3101.69 r270 bottom locked value=0.22uF (schematic designator C129)
C129_2 "GCM155R71C224KE02D" 0402S 4707.89,3007.69 r270 bottom locked value=0.22uF (schematic designator C129)
C129_3 "GCM155R71C224KE02D" 0402S 3822.72,3216.01 r0 bottom locked value=0.22uF (schematic designator C129)